# Altium PCB PCB22.PcbDoc (part 16 of 16)
Units mm, origin at the board's own origin, x right, y up, seen from the top; angles counter-clockwise.
Board outline 233.7 x 110.51 mm, 4 copper layers (Top Layer, Layer 1, Layer 2, Bottom Layer), stack 0.603 mm thick; 1249 components, 1355 nets, 4549 pads, 1315 vias.
Unrouted connection lines stored in the file: 1569.
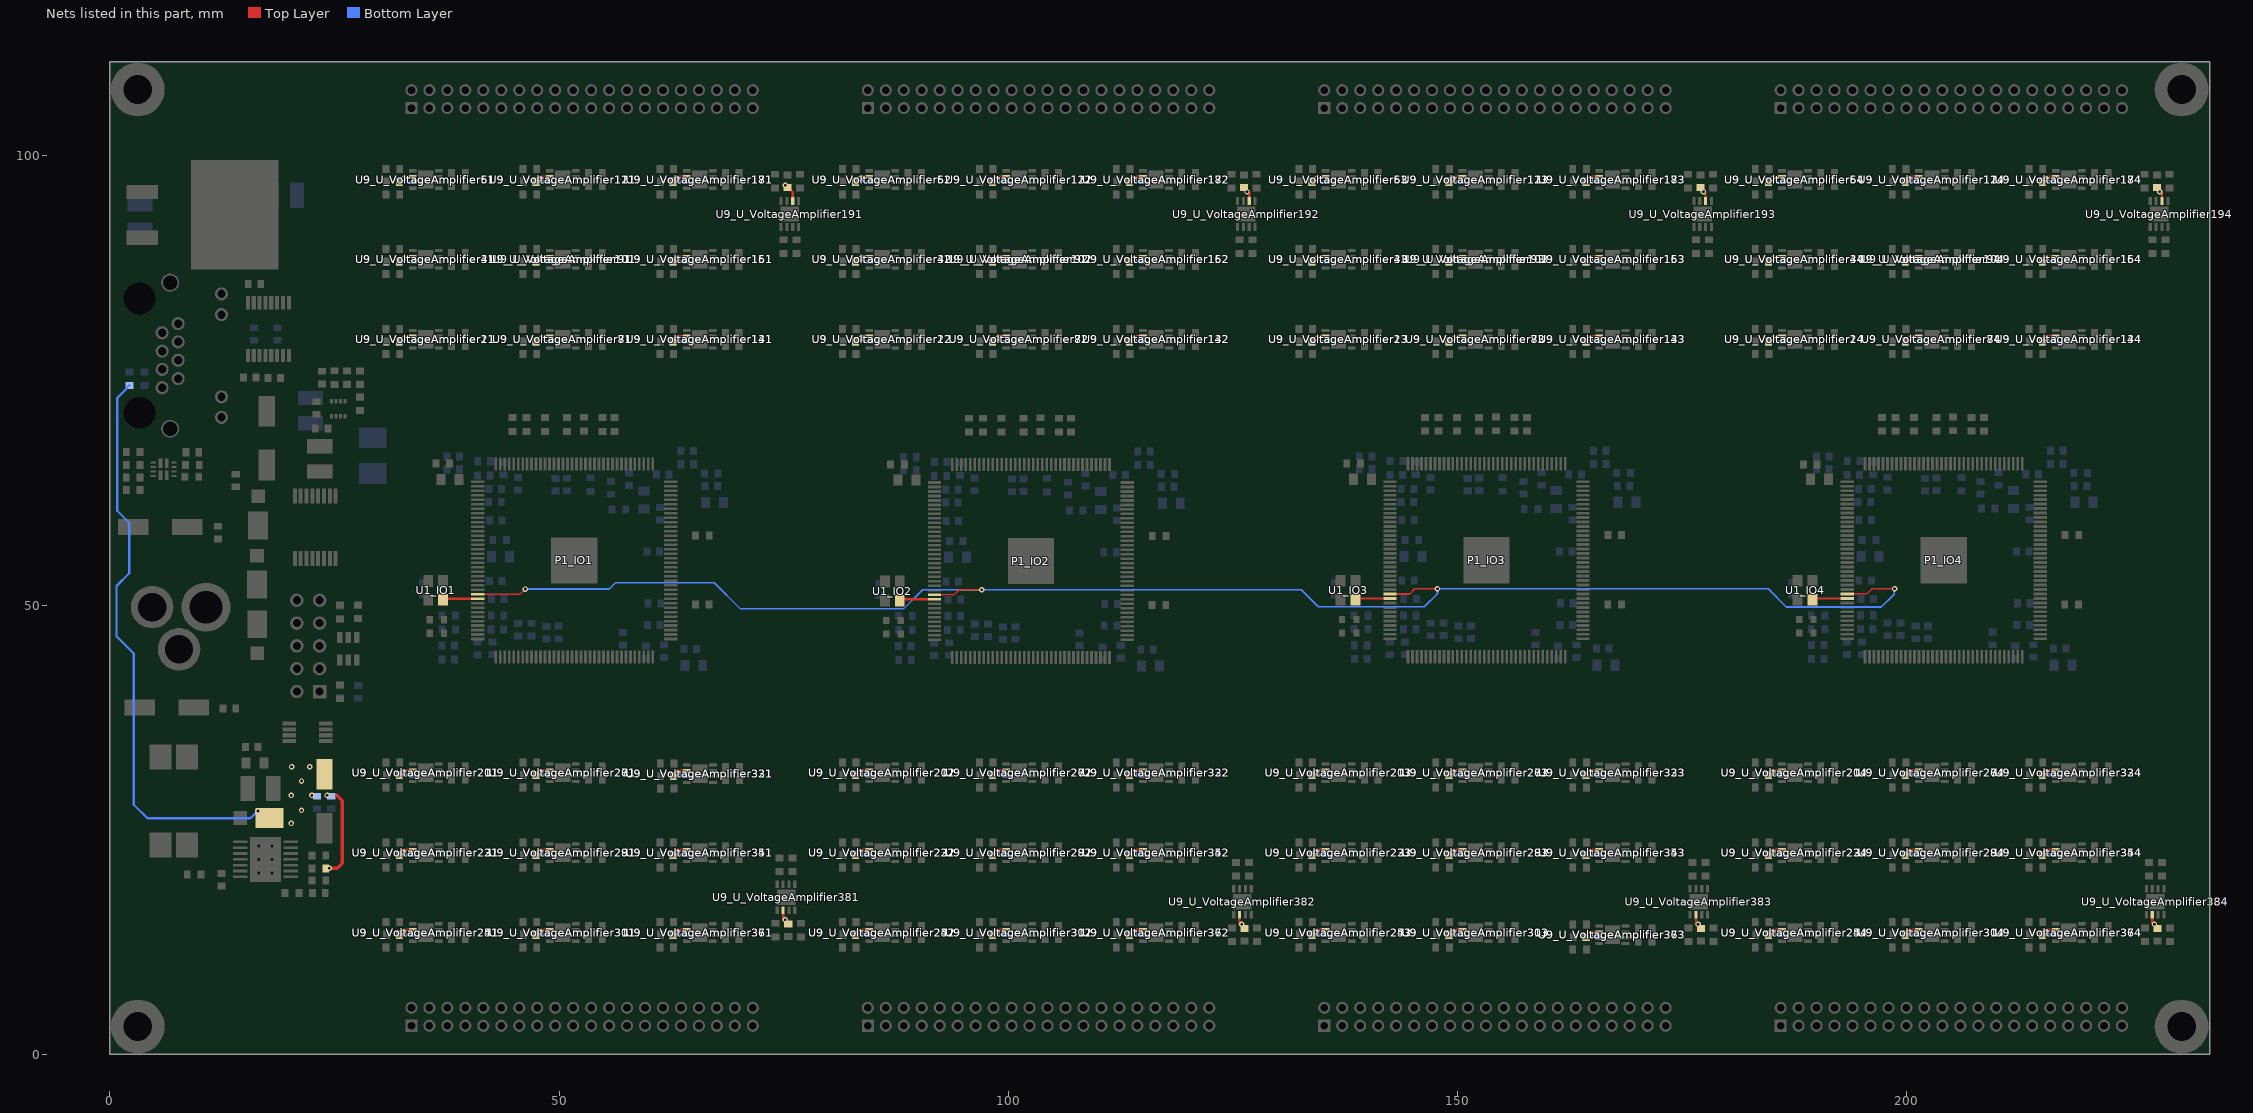
[diagram p18: the nets of this part, all layers, seen from the top]

## Via types
v1: diameter 0.61, hole 0.305, Top Layer to Bottom Layer, 1315 vias

## Nets (pads, with @x,y where several pads share a name; then routed paths per layer and width w, separated by ;. In a path a pad name is that pad's centre, name@x,y a point inside that pad or via, vN(x,y) a via of type N, cw(c..) or ccw(c..) an arc to the next point about the centre after c; other vN are vias at no path point) (continued)
VCC_OUT: (continued)
  Bottom Layer w0.254: R46.1@2.191,74.445 2.127,74.445 1.873,74.191 1.873,74.127 0.818,73.071 0.818,60.515 2.145,59.187 2.145,53.546 0.738,52.138 0.738,46.535 2.663,44.609 2.663,27.798 4.182,26.279 15.648,26.279 v1(16.473,27.104) ; v1(32.667,31.424) 32.763,31.424 33.121,31.066 33.66,31.066 U9_U_VoltageAmplifier211.6@33.708,31.018 ; v1(32.667,79.684) 32.763,79.684 33.121,79.326 33.66,79.326 U9_U_VoltageAmplifier21.6@33.708,79.278 ; v1(32.667,88.574) 32.763,88.574 33.121,88.216 33.66,88.216 U9_U_VoltageAmplifier41.6@33.708,88.168 ; v1(32.667,97.464) 32.763,97.464 33.121,97.106 33.66,97.106 U9_U_VoltageAmplifier61.6@33.708,97.058 ; v1(47.907,79.684) 48.003,79.684 48.361,79.326 48.9,79.326 U9_U_VoltageAmplifier81.6@48.948,79.278 ; v1(47.907,88.574) 48.003,88.574 48.361,88.216 48.9,88.216 U9_U_VoltageAmplifier101.6@48.948,88.168 ; v1(47.907,97.464) 48.003,97.464 48.361,97.106 48.9,97.106 U9_U_VoltageAmplifier121.6@48.948,97.058 ; v1(63.147,79.684) 63.243,79.684 63.601,79.326 64.14,79.326 U9_U_VoltageAmplifier141.6@64.188,79.278 ; v1(63.147,88.574) 63.243,88.574 63.601,88.216 64.14,88.216 U9_U_VoltageAmplifier161.6@64.188,88.168 ; v1(63.147,97.464) 63.243,97.464 63.601,97.106 64.14,97.106 U9_U_VoltageAmplifier181.6@64.188,97.058 ; v1(75.176,14.997) v1@75.176,15.093 ; v1(227.576,14.489) v1@227.576,14.585 ; v1@228.164,95.935 v1(228.164,96.031) ; v1@32.763,13.644 33.121,13.286 ; v1@32.763,13.644 v1(32.667,13.644) v1@32.763,13.644 ; v1@32.763,13.644 33.121,13.286 ; v1@32.763,22.534 v1(32.667,22.534) v1@32.763,22.534 ; v1@32.763,22.534 33.121,22.176 ; v1@32.763,22.534 33.121,22.176 ; 33.121,13.286 U9_U_VoltageAmplifier251.6@33.66,13.286 ; 33.121,13.286 U9_U_VoltageAmplifier251.6@33.66,13.286 ; 33.121,22.176 U9_U_VoltageAmplifier231.6@33.66,22.176 ; 33.121,22.176 U9_U_VoltageAmplifier231.6@33.66,22.176 ; U9_U_VoltageAmplifier251.6@33.66,13.286 U9_U_VoltageAmplifier251.6@33.708,13.238 U9_U_VoltageAmplifier251.6@33.66,13.286 ; U9_U_VoltageAmplifier231.6@33.66,22.176 U9_U_VoltageAmplifier231.6@33.708,22.128 U9_U_VoltageAmplifier231.6@33.66,22.176 ; v1@48.003,13.644 48.361,13.286 ; v1@48.003,13.644 v1(47.907,13.644) v1@48.003,13.644 ; v1@48.003,13.644 48.361,13.286 ; v1@48.003,22.534 48.361,22.176 ; v1@48.003,22.534 v1(47.907,22.534) v1@48.003,22.534 ; v1@48.003,22.534 48.361,22.176 ; v1@48.003,31.424 48.361,31.066 ; v1@48.003,31.424 v1(47.907,31.424) v1@48.003,31.424 ; v1@48.003,31.424 48.361,31.066 ; 48.361,13.286 U9_U_VoltageAmplifier311.6@48.9,13.286 ; 48.361,13.286 U9_U_VoltageAmplifier311.6@48.9,13.286 ; 48.361,22.176 U9_U_VoltageAmplifier291.6@48.9,22.176 ; 48.361,22.176 U9_U_VoltageAmplifier291.6@48.9,22.176 ; 48.361,31.066 U9_U_VoltageAmplifier271.6@48.9,31.066 ; 48.361,31.066 U9_U_VoltageAmplifier271.6@48.9,31.066 ; U9_U_VoltageAmplifier311.6@48.9,13.286 U9_U_VoltageAmplifier311.6@48.948,13.238 U9_U_VoltageAmplifier311.6@48.9,13.286 ; U9_U_VoltageAmplifier291.6@48.9,22.176 U9_U_VoltageAmplifier291.6@48.948,22.128 U9_U_VoltageAmplifier291.6@48.9,22.176 ; U9_U_VoltageAmplifier271.6@48.9,31.066 U9_U_VoltageAmplifier271.6@48.948,31.018 U9_U_VoltageAmplifier271.6@48.9,31.066 ; v1@63.243,13.644 63.601,13.286 ; v1@63.243,13.644 v1(63.147,13.644) v1@63.243,13.644 ; v1@63.243,13.644 63.601,13.286 ; v1@63.243,22.534 63.601,22.176 ; v1@63.243,22.534 v1(63.147,22.534) v1@63.243,22.534 ; v1@63.243,22.534 63.601,22.176 ; v1@63.273,31.333 63.631,30.975 ; v1@63.273,31.333 v1(63.176,31.333) v1@63.273,31.333 ; v1@63.273,31.333 63.631,30.975 ; 63.601,13.286 U9_U_VoltageAmplifier371.6@64.14,13.286 ; 63.601,13.286 U9_U_VoltageAmplifier371.6@64.14,13.286 ; 63.601,22.176 U9_U_VoltageAmplifier351.6@64.14,22.176 ; 63.601,22.176 U9_U_VoltageAmplifier351.6@64.14,22.176 ; 63.631,30.975 U9_U_VoltageAmplifier331.6@64.17,30.975 ; 63.631,30.975 U9_U_VoltageAmplifier331.6@64.17,30.975 ; U9_U_VoltageAmplifier371.6@64.14,13.286 U9_U_VoltageAmplifier371.6@64.188,13.238 U9_U_VoltageAmplifier371.6@64.14,13.286 ; U9_U_VoltageAmplifier351.6@64.14,22.176 U9_U_VoltageAmplifier351.6@64.188,22.128 U9_U_VoltageAmplifier351.6@64.14,22.176 ; U9_U_VoltageAmplifier331.6@64.17,30.975 U9_U_VoltageAmplifier331.6@64.218,30.927 U9_U_VoltageAmplifier331.6@64.17,30.975 ; v1@83.563,13.644 83.921,13.286 ; v1@83.563,13.644 v1(83.467,13.644) v1@83.563,13.644 ; v1@83.563,13.644 83.921,13.286 ; v1@83.563,22.534 83.921,22.176 ; v1@83.563,22.534 v1(83.467,22.534) v1@83.563,22.534 ; v1@83.563,22.534 83.921,22.176 ; v1@83.563,31.424 83.921,31.066 ; v1@83.563,31.424 v1(83.467,31.424) v1@83.563,31.424 ; v1@83.563,31.424 83.921,31.066 ; v1@83.563,79.684 83.921,79.326 ; v1@83.563,79.684 v1(83.467,79.684) v1@83.563,79.684 ; v1@83.563,79.684 83.921,79.326 ; v1@83.563,88.574 83.921,88.216 ; v1@83.563,88.574 v1(83.467,88.574) v1@83.563,88.574 ; v1@83.563,88.574 83.921,88.216 ; v1@83.563,97.464 83.921,97.106 ; v1@83.563,97.464 v1(83.467,97.464) v1@83.563,97.464 ; v1@83.563,97.464 83.921,97.106 ; 83.921,13.286 U9_U_VoltageAmplifier252.6@84.46,13.286 ; 83.921,13.286 U9_U_VoltageAmplifier252.6@84.46,13.286 ; 83.921,22.176 U9_U_VoltageAmplifier232.6@84.46,22.176 ; 83.921,22.176 U9_U_VoltageAmplifier232.6@84.46,22.176 ; 83.921,31.066 U9_U_VoltageAmplifier212.6@84.46,31.066 ; 83.921,31.066 U9_U_VoltageAmplifier212.6@84.46,31.066 ; 83.921,79.326 U9_U_VoltageAmplifier22.6@84.46,79.326 ; 83.921,79.326 U9_U_VoltageAmplifier22.6@84.46,79.326 ; 83.921,88.216 U9_U_VoltageAmplifier42.6@84.46,88.216 ; 83.921,88.216 U9_U_VoltageAmplifier42.6@84.46,88.216 ; 83.921,97.106 U9_U_VoltageAmplifier62.6@84.46,97.106 ; 83.921,97.106 U9_U_VoltageAmplifier62.6@84.46,97.106 ; U9_U_VoltageAmplifier252.6@84.46,13.286 U9_U_VoltageAmplifier252.6@84.508,13.238 U9_U_VoltageAmplifier252.6@84.46,13.286 ; U9_U_VoltageAmplifier232.6@84.46,22.176 U9_U_VoltageAmplifier232.6@84.508,22.128 U9_U_VoltageAmplifier232.6@84.46,22.176 ; U9_U_VoltageAmplifier212.6@84.46,31.066 U9_U_VoltageAmplifier212.6@84.508,31.018 U9_U_VoltageAmplifier212.6@84.46,31.066 ; U9_U_VoltageAmplifier22.6@84.46,79.326 U9_U_VoltageAmplifier22.6@84.508,79.278 U9_U_VoltageAmplifier22.6@84.46,79.326 ; U9_U_VoltageAmplifier42.6@84.46,88.216 U9_U_VoltageAmplifier42.6@84.508,88.168 U9_U_VoltageAmplifier42.6@84.46,88.216 ; U9_U_VoltageAmplifier62.6@84.46,97.106 U9_U_VoltageAmplifier62.6@84.508,97.058 U9_U_VoltageAmplifier62.6@84.46,97.106 ; v1@98.803,13.644 99.161,13.286 ; v1@98.803,13.644 v1(98.707,13.644) v1@98.803,13.644 ; v1@98.803,13.644 99.161,13.286 ; v1@98.803,22.534 99.161,22.176 ; v1@98.803,22.534 v1(98.707,22.534) v1@98.803,22.534 ; v1@98.803,22.534 99.161,22.176 ; v1@98.803,31.424 99.161,31.066 ; v1@98.803,31.424 v1(98.707,31.424) v1@98.803,31.424 ; v1@98.803,31.424 99.161,31.066 ; v1@98.803,79.684 99.161,79.326 ; v1@98.803,79.684 v1(98.707,79.684) v1@98.803,79.684 ; v1@98.803,79.684 99.161,79.326 ; v1@98.803,88.574 99.161,88.216 ; v1@98.803,88.574 v1(98.707,88.574) v1@98.803,88.574 ; v1@98.803,88.574 99.161,88.216 ; v1@98.803,97.464 99.161,97.106 ; v1@98.803,97.464 v1(98.707,97.464) v1@98.803,97.464 ; v1@98.803,97.464 99.161,97.106 ; 99.161,13.286 U9_U_VoltageAmplifier312.6@99.7,13.286 ; 99.161,13.286 U9_U_VoltageAmplifier312.6@99.7,13.286 ; 99.161,22.176 U9_U_VoltageAmplifier292.6@99.7,22.176 ; 99.161,22.176 U9_U_VoltageAmplifier292.6@99.7,22.176 ; 99.161,31.066 U9_U_VoltageAmplifier272.6@99.7,31.066 ; 99.161,31.066 U9_U_VoltageAmplifier272.6@99.7,31.066 ; 99.161,79.326 U9_U_VoltageAmplifier82.6@99.7,79.326 ; 99.161,79.326 U9_U_VoltageAmplifier82.6@99.7,79.326 ; 99.161,88.216 U9_U_VoltageAmplifier102.6@99.7,88.216 ; 99.161,88.216 U9_U_VoltageAmplifier102.6@99.7,88.216 ; 99.161,97.106 U9_U_VoltageAmplifier122.6@99.7,97.106 ; 99.161,97.106 U9_U_VoltageAmplifier122.6@99.7,97.106 ; U9_U_VoltageAmplifier312.6@99.7,13.286 U9_U_VoltageAmplifier312.6@99.748,13.238 U9_U_VoltageAmplifier312.6@99.7,13.286 ; U9_U_VoltageAmplifier292.6@99.7,22.176 U9_U_VoltageAmplifier292.6@99.748,22.128 U9_U_VoltageAmplifier292.6@99.7,22.176 ; U9_U_VoltageAmplifier272.6@99.7,31.066 U9_U_VoltageAmplifier272.6@99.748,31.018 U9_U_VoltageAmplifier272.6@99.7,31.066 ; U9_U_VoltageAmplifier82.6@99.7,79.326 U9_U_VoltageAmplifier82.6@99.748,79.278 U9_U_VoltageAmplifier82.6@99.7,79.326 ; U9_U_VoltageAmplifier102.6@99.7,88.216 U9_U_VoltageAmplifier102.6@99.748,88.168 U9_U_VoltageAmplifier102.6@99.7,88.216 ; U9_U_VoltageAmplifier122.6@99.7,97.106 U9_U_VoltageAmplifier122.6@99.748,97.058 U9_U_VoltageAmplifier122.6@99.7,97.106 ; v1@114.043,13.644 114.401,13.286 ; v1@114.043,13.644 v1(113.947,13.644) v1@114.043,13.644 ; v1@114.043,13.644 114.401,13.286 ; v1@114.043,22.534 114.401,22.176 ; v1@114.043,22.534 v1(113.947,22.534) v1@114.043,22.534 ; v1@114.043,22.534 114.401,22.176 ; v1@114.043,31.424 114.401,31.066 ; v1@114.043,31.424 v1(113.947,31.424) v1@114.043,31.424 ; v1@114.043,31.424 114.401,31.066 ; v1@114.043,79.684 114.401,79.326 ; v1@114.043,79.684 v1(113.947,79.684) v1@114.043,79.684 ; v1@114.043,79.684 114.401,79.326 ; v1@114.043,88.574 114.401,88.216 ; v1@114.043,88.574 v1(113.947,88.574) v1@114.043,88.574 ; v1@114.043,88.574 114.401,88.216 ; v1@114.043,97.464 114.401,97.106 ; v1@114.043,97.464 v1(113.947,97.464) v1@114.043,97.464 ; v1@114.043,97.464 114.401,97.106 ; 114.401,13.286 U9_U_VoltageAmplifier372.6@114.94,13.286 ; 114.401,13.286 U9_U_VoltageAmplifier372.6@114.94,13.286 ; 114.401,22.176 U9_U_VoltageAmplifier352.6@114.94,22.176 ; 114.401,22.176 U9_U_VoltageAmplifier352.6@114.94,22.176 ; 114.401,31.066 U9_U_VoltageAmplifier332.6@114.94,31.066 ; 114.401,31.066 U9_U_VoltageAmplifier332.6@114.94,31.066 ; 114.401,79.326 U9_U_VoltageAmplifier142.6@114.94,79.326 ; 114.401,79.326 U9_U_VoltageAmplifier142.6@114.94,79.326 ; 114.401,88.216 U9_U_VoltageAmplifier162.6@114.94,88.216 ; 114.401,88.216 U9_U_VoltageAmplifier162.6@114.94,88.216 ; 114.401,97.106 U9_U_VoltageAmplifier182.6@114.94,97.106 ; 114.401,97.106 U9_U_VoltageAmplifier182.6@114.94,97.106 ; U9_U_VoltageAmplifier372.6@114.94,13.286 U9_U_VoltageAmplifier372.6@114.988,13.238 U9_U_VoltageAmplifier372.6@114.94,13.286 ; U9_U_VoltageAmplifier352.6@114.94,22.176 U9_U_VoltageAmplifier352.6@114.988,22.128 U9_U_VoltageAmplifier352.6@114.94,22.176 ; U9_U_VoltageAmplifier332.6@114.94,31.066 U9_U_VoltageAmplifier332.6@114.988,31.018 U9_U_VoltageAmplifier332.6@114.94,31.066 ; U9_U_VoltageAmplifier142.6@114.94,79.326 U9_U_VoltageAmplifier142.6@114.988,79.278 U9_U_VoltageAmplifier142.6@114.94,79.326 ; U9_U_VoltageAmplifier162.6@114.94,88.216 U9_U_VoltageAmplifier162.6@114.988,88.168 U9_U_VoltageAmplifier162.6@114.94,88.216 ; U9_U_VoltageAmplifier182.6@114.94,97.106 U9_U_VoltageAmplifier182.6@114.988,97.058 U9_U_VoltageAmplifier182.6@114.94,97.106 ; v1@134.363,13.644 134.721,13.286 ; v1@134.363,13.644 v1(134.267,13.644) v1@134.363,13.644 ; v1@134.363,13.644 134.721,13.286 ; v1@134.363,22.534 134.721,22.176 ; v1@134.363,22.534 v1(134.267,22.534) v1@134.363,22.534 ; v1@134.363,22.534 134.721,22.176 ; v1@134.363,31.424 134.721,31.066 ; v1@134.363,31.424 v1(134.267,31.424) v1@134.363,31.424 ; v1@134.363,31.424 134.721,31.066 ; v1@134.363,79.684 134.721,79.326 ; v1@134.363,79.684 v1(134.267,79.684) v1@134.363,79.684 ; v1@134.363,79.684 134.721,79.326 ; v1@134.363,88.574 134.721,88.216 ; v1@134.363,88.574 v1(134.267,88.574) v1@134.363,88.574 ; v1@134.363,88.574 134.721,88.216 ; v1@134.363,97.464 134.721,97.106 ; v1@134.363,97.464 v1(134.267,97.464) v1@134.363,97.464 ; v1@134.363,97.464 134.721,97.106 ; 134.721,13.286 U9_U_VoltageAmplifier253.6@135.26,13.286 ; 134.721,13.286 U9_U_VoltageAmplifier253.6@135.26,13.286 ; 134.721,22.176 U9_U_VoltageAmplifier233.6@135.26,22.176 ; 134.721,22.176 U9_U_VoltageAmplifier233.6@135.26,22.176 ; 134.721,31.066 U9_U_VoltageAmplifier213.6@135.26,31.066 ; 134.721,31.066 U9_U_VoltageAmplifier213.6@135.26,31.066 ; 134.721,79.326 U9_U_VoltageAmplifier23.6@135.26,79.326 ; 134.721,79.326 U9_U_VoltageAmplifier23.6@135.26,79.326 ; 134.721,88.216 U9_U_VoltageAmplifier43.6@135.26,88.216 ; 134.721,88.216 U9_U_VoltageAmplifier43.6@135.26,88.216 ; 134.721,97.106 U9_U_VoltageAmplifier63.6@135.26,97.106 ; 134.721,97.106 U9_U_VoltageAmplifier63.6@135.26,97.106 ; U9_U_VoltageAmplifier253.6@135.26,13.286 U9_U_VoltageAmplifier253.6@135.308,13.238 U9_U_VoltageAmplifier253.6@135.26,13.286 ; U9_U_VoltageAmplifier233.6@135.26,22.176 U9_U_VoltageAmplifier233.6@135.308,22.128 U9_U_VoltageAmplifier233.6@135.26,22.176 ; U9_U_VoltageAmplifier213.6@135.26,31.066 U9_U_VoltageAmplifier213.6@135.308,31.018 U9_U_VoltageAmplifier213.6@135.26,31.066 ; U9_U_VoltageAmplifier23.6@135.26,79.326 U9_U_VoltageAmplifier23.6@135.308,79.278 U9_U_VoltageAmplifier23.6@135.26,79.326 ; U9_U_VoltageAmplifier43.6@135.26,88.216 U9_U_VoltageAmplifier43.6@135.308,88.168 U9_U_VoltageAmplifier43.6@135.26,88.216 ; U9_U_VoltageAmplifier63.6@135.26,97.106 U9_U_VoltageAmplifier63.6@135.308,97.058 U9_U_VoltageAmplifier63.6@135.26,97.106 ; v1@149.603,13.644 149.961,13.286 ; v1@149.603,13.644 v1(149.507,13.644) v1@149.603,13.644 ; v1@149.603,13.644 149.961,13.286 ; v1@149.603,22.534 149.961,22.176 ; v1@149.603,22.534 v1(149.507,22.534) v1@149.603,22.534 ; v1@149.603,22.534 149.961,22.176 ; v1@149.603,31.424 149.961,31.066 ; v1@149.603,31.424 v1(149.507,31.424) v1@149.603,31.424 ; v1@149.603,31.424 149.961,31.066 ; v1@149.603,79.684 149.961,79.326 ; v1@149.603,79.684 v1(149.507,79.684) v1@149.603,79.684 ; v1@149.603,79.684 149.961,79.326 ; v1@149.603,88.574 149.961,88.216 ; v1@149.603,88.574 v1(149.507,88.574) v1@149.603,88.574 ; v1@149.603,88.574 149.961,88.216 ; v1@149.603,97.464 149.961,97.106 ; v1@149.603,97.464 v1(149.507,97.464) v1@149.603,97.464 ; v1@149.603,97.464 149.961,97.106 ; 149.961,13.286 U9_U_VoltageAmplifier313.6@150.5,13.286 ; 149.961,13.286 U9_U_VoltageAmplifier313.6@150.5,13.286 ; 149.961,22.176 U9_U_VoltageAmplifier293.6@150.5,22.176 ; 149.961,22.176 U9_U_VoltageAmplifier293.6@150.5,22.176 ; 149.961,31.066 U9_U_VoltageAmplifier273.6@150.5,31.066 ; 149.961,31.066 U9_U_VoltageAmplifier273.6@150.5,31.066 ; 149.961,79.326 U9_U_VoltageAmplifier83.6@150.5,79.326 ; 149.961,79.326 U9_U_VoltageAmplifier83.6@150.5,79.326 ; 149.961,88.216 U9_U_VoltageAmplifier103.6@150.5,88.216 ; 149.961,88.216 U9_U_VoltageAmplifier103.6@150.5,88.216 ; 149.961,97.106 U9_U_VoltageAmplifier123.6@150.5,97.106 ; 149.961,97.106 U9_U_VoltageAmplifier123.6@150.5,97.106 ; U9_U_VoltageAmplifier313.6@150.5,13.286 U9_U_VoltageAmplifier313.6@150.548,13.238 U9_U_VoltageAmplifier313.6@150.5,13.286 ; U9_U_VoltageAmplifier293.6@150.5,22.176 U9_U_VoltageAmplifier293.6@150.548,22.128 U9_U_VoltageAmplifier293.6@150.5,22.176 ; U9_U_VoltageAmplifier273.6@150.5,31.066 U9_U_VoltageAmplifier273.6@150.548,31.018 U9_U_VoltageAmplifier273.6@150.5,31.066 ; U9_U_VoltageAmplifier83.6@150.5,79.326 U9_U_VoltageAmplifier83.6@150.548,79.278 U9_U_VoltageAmplifier83.6@150.5,79.326 ; U9_U_VoltageAmplifier103.6@150.5,88.216 U9_U_VoltageAmplifier103.6@150.548,88.168 U9_U_VoltageAmplifier103.6@150.5,88.216 ; U9_U_VoltageAmplifier123.6@150.5,97.106 U9_U_VoltageAmplifier123.6@150.548,97.058 U9_U_VoltageAmplifier123.6@150.5,97.106 ; v1@164.843,13.39 165.201,13.032 ; v1@164.843,13.39 v1(164.747,13.39) v1@164.843,13.39 ; v1@164.843,13.39 165.201,13.032 ; v1@164.843,22.534 165.201,22.176 ; v1@164.843,22.534 v1(164.747,22.534) v1@164.843,22.534 ; v1@164.843,22.534 165.201,22.176 ; v1@164.843,31.424 165.201,31.066 ; v1@164.843,31.424 v1(164.747,31.424) v1@164.843,31.424 ; v1@164.843,31.424 165.201,31.066 ; v1@164.843,79.684 165.201,79.326 ; v1@164.843,79.684 v1(164.747,79.684) v1@164.843,79.684 ; v1@164.843,79.684 165.201,79.326 ; v1@164.843,88.574 165.201,88.216 ; v1@164.843,88.574 v1(164.747,88.574) v1@164.843,88.574 ; v1@164.843,88.574 165.201,88.216 ; v1@164.843,97.464 165.201,97.106 ; v1@164.843,97.464 v1(164.747,97.464) v1@164.843,97.464 ; v1@164.843,97.464 165.201,97.106 ; 165.201,13.032 U9_U_VoltageAmplifier373.6@165.74,13.032 ; 165.201,13.032 U9_U_VoltageAmplifier373.6@165.74,13.032 ; 165.201,22.176 U9_U_VoltageAmplifier353.6@165.74,22.176 ; 165.201,22.176 U9_U_VoltageAmplifier353.6@165.74,22.176 ; 165.201,31.066 U9_U_VoltageAmplifier333.6@165.74,31.066 ; 165.201,31.066 U9_U_VoltageAmplifier333.6@165.74,31.066 ; 165.201,79.326 U9_U_VoltageAmplifier143.6@165.74,79.326 ; 165.201,79.326 U9_U_VoltageAmplifier143.6@165.74,79.326 ; 165.201,88.216 U9_U_VoltageAmplifier163.6@165.74,88.216 ; 165.201,88.216 U9_U_VoltageAmplifier163.6@165.74,88.216 ; 165.201,97.106 U9_U_VoltageAmplifier183.6@165.74,97.106 ; 165.201,97.106 U9_U_VoltageAmplifier183.6@165.74,97.106 ; U9_U_VoltageAmplifier373.6@165.74,13.032 U9_U_VoltageAmplifier373.6@165.788,12.984 U9_U_VoltageAmplifier373.6@165.74,13.032 ; U9_U_VoltageAmplifier353.6@165.74,22.176 U9_U_VoltageAmplifier353.6@165.788,22.128 U9_U_VoltageAmplifier353.6@165.74,22.176 ; U9_U_VoltageAmplifier333.6@165.74,31.066 U9_U_VoltageAmplifier333.6@165.788,31.018 U9_U_VoltageAmplifier333.6@165.74,31.066 ; U9_U_VoltageAmplifier143.6@165.74,79.326 U9_U_VoltageAmplifier143.6@165.788,79.278 U9_U_VoltageAmplifier143.6@165.74,79.326 ; U9_U_VoltageAmplifier163.6@165.74,88.216 U9_U_VoltageAmplifier163.6@165.788,88.168 U9_U_VoltageAmplifier163.6@165.74,88.216 ; U9_U_VoltageAmplifier183.6@165.74,97.106 U9_U_VoltageAmplifier183.6@165.788,97.058 U9_U_VoltageAmplifier183.6@165.74,97.106 ; v1@185.163,13.644 185.521,13.286 ; v1@185.163,13.644 v1(185.067,13.644) v1@185.163,13.644 ; v1@185.163,13.644 185.521,13.286 ; v1@185.163,22.534 185.521,22.176 ; v1@185.163,22.534 v1(185.067,22.534) v1@185.163,22.534 ; v1@185.163,22.534 185.521,22.176 ; v1@185.163,31.424 v1(185.067,31.424) v1@185.163,31.424 ; v1@185.163,31.424 185.521,31.066 ; v1@185.163,31.424 185.521,31.066 ; v1@185.163,79.684 185.521,79.326 ; v1@185.163,79.684 v1(185.067,79.684) v1@185.163,79.684 ; v1@185.163,79.684 185.521,79.326 ; v1@185.163,88.574 185.521,88.216 ; v1@185.163,88.574 v1(185.067,88.574) v1@185.163,88.574 ; v1@185.163,88.574 185.521,88.216 ; v1@185.163,97.464 185.521,97.106 ; v1@185.163,97.464 v1(185.067,97.464) v1@185.163,97.464 ; v1@185.163,97.464 185.521,97.106 ; 185.521,13.286 U9_U_VoltageAmplifier254.6@186.06,13.286 ; 185.521,13.286 U9_U_VoltageAmplifier254.6@186.06,13.286 ; 185.521,22.176 U9_U_VoltageAmplifier234.6@186.06,22.176 ; 185.521,22.176 U9_U_VoltageAmplifier234.6@186.06,22.176 ; 185.521,31.066 U9_U_VoltageAmplifier214.6@186.06,31.066 ; 185.521,31.066 U9_U_VoltageAmplifier214.6@186.06,31.066 ; 185.521,79.326 U9_U_VoltageAmplifier24.6@186.06,79.326 ; 185.521,79.326 U9_U_VoltageAmplifier24.6@186.06,79.326 ; 185.521,88.216 U9_U_VoltageAmplifier44.6@186.06,88.216 ; 185.521,88.216 U9_U_VoltageAmplifier44.6@186.06,88.216 ; 185.521,97.106 U9_U_VoltageAmplifier64.6@186.06,97.106 ; 185.521,97.106 U9_U_VoltageAmplifier64.6@186.06,97.106 ; U9_U_VoltageAmplifier254.6@186.06,13.286 U9_U_VoltageAmplifier254.6@186.108,13.238 U9_U_VoltageAmplifier254.6@186.06,13.286 ; U9_U_VoltageAmplifier234.6@186.06,22.176 U9_U_VoltageAmplifier234.6@186.108,22.128 U9_U_VoltageAmplifier234.6@186.06,22.176 ; U9_U_VoltageAmplifier214.6@186.06,31.066 U9_U_VoltageAmplifier214.6@186.108,31.018 U9_U_VoltageAmplifier214.6@186.06,31.066 ; U9_U_VoltageAmplifier24.6@186.06,79.326 U9_U_VoltageAmplifier24.6@186.108,79.278 U9_U_VoltageAmplifier24.6@186.06,79.326 ; U9_U_VoltageAmplifier44.6@186.06,88.216 U9_U_VoltageAmplifier44.6@186.108,88.168 U9_U_VoltageAmplifier44.6@186.06,88.216 ; U9_U_VoltageAmplifier64.6@186.06,97.106 U9_U_VoltageAmplifier64.6@186.108,97.058 U9_U_VoltageAmplifier64.6@186.06,97.106 ; v1@200.403,13.644 200.761,13.286 ; v1@200.403,13.644 v1(200.307,13.644) v1@200.403,13.644 ; v1@200.403,13.644 200.761,13.286 ; v1@200.403,22.534 200.761,22.176 ; v1@200.403,22.534 v1(200.307,22.534) v1@200.403,22.534 ; v1@200.403,22.534 200.761,22.176 ; v1@200.403,31.424 200.761,31.066 ; v1@200.403,31.424 v1(200.307,31.424) v1@200.403,31.424 ; v1@200.403,31.424 200.761,31.066 ; v1@200.403,79.684 200.761,79.326 ; v1@200.403,79.684 v1(200.307,79.684) v1@200.403,79.684 ; v1@200.403,79.684 200.761,79.326 ; v1@200.403,88.574 200.761,88.216 ; v1@200.403,88.574 v1(200.307,88.574) v1@200.403,88.574 ; v1@200.403,88.574 200.761,88.216 ; v1@200.403,97.464 200.761,97.106 ; v1@200.403,97.464 v1(200.307,97.464) v1@200.403,97.464 ; v1@200.403,97.464 200.761,97.106 ; 200.761,13.286 U9_U_VoltageAmplifier314.6@201.3,13.286 ; 200.761,13.286 U9_U_VoltageAmplifier314.6@201.3,13.286 ; 200.761,22.176 U9_U_VoltageAmplifier294.6@201.3,22.176 ; 200.761,22.176 U9_U_VoltageAmplifier294.6@201.3,22.176 ; 200.761,31.066 U9_U_VoltageAmplifier274.6@201.3,31.066 ; 200.761,31.066 U9_U_VoltageAmplifier274.6@201.3,31.066 ; 200.761,79.326 U9_U_VoltageAmplifier84.6@201.3,79.326 ; 200.761,79.326 U9_U_VoltageAmplifier84.6@201.3,79.326 ; 200.761,88.216 U9_U_VoltageAmplifier104.6@201.3,88.216 ; 200.761,88.216 U9_U_VoltageAmplifier104.6@201.3,88.216 ; 200.761,97.106 U9_U_VoltageAmplifier124.6@201.3,97.106 ; 200.761,97.106 U9_U_VoltageAmplifier124.6@201.3,97.106 ; U9_U_VoltageAmplifier314.6@201.3,13.286 U9_U_VoltageAmplifier314.6@201.348,13.238 U9_U_VoltageAmplifier314.6@201.3,13.286 ; U9_U_VoltageAmplifier294.6@201.3,22.176 U9_U_VoltageAmplifier294.6@201.348,22.128 U9_U_VoltageAmplifier294.6@201.3,22.176 ; U9_U_VoltageAmplifier274.6@201.3,31.066 U9_U_VoltageAmplifier274.6@201.348,31.018 U9_U_VoltageAmplifier274.6@201.3,31.066 ; U9_U_VoltageAmplifier84.6@201.3,79.326 U9_U_VoltageAmplifier84.6@201.348,79.278 U9_U_VoltageAmplifier84.6@201.3,79.326 ; U9_U_VoltageAmplifier104.6@201.3,88.216 U9_U_VoltageAmplifier104.6@201.348,88.168 U9_U_VoltageAmplifier104.6@201.3,88.216 ; U9_U_VoltageAmplifier124.6@201.3,97.106 U9_U_VoltageAmplifier124.6@201.348,97.058 U9_U_VoltageAmplifier124.6@201.3,97.106 ; v1@215.643,13.644 216.001,13.286 ; v1@215.643,13.644 v1(215.547,13.644) v1@215.643,13.644 ; v1@215.643,13.644 216.001,13.286 ; v1@215.643,22.534 216.001,22.176 ; v1@215.643,22.534 v1(215.547,22.534) v1@215.643,22.534 ; v1@215.643,22.534 216.001,22.176 ; v1@215.643,31.424 216.001,31.066 ; v1@215.643,31.424 v1(215.547,31.424) v1@215.643,31.424 ; v1@215.643,31.424 216.001,31.066 ; v1@215.643,79.684 216.001,79.326 ; v1@215.643,79.684 v1(215.547,79.684) v1@215.643,79.684 ; v1@215.643,79.684 216.001,79.326 ; v1@215.643,88.574 216.001,88.216 ; v1@215.643,88.574 v1(215.547,88.574) v1@215.643,88.574 ; v1@215.643,88.574 216.001,88.216 ; v1@215.643,97.464 216.001,97.106 ; v1@215.643,97.464 v1(215.547,97.464) v1@215.643,97.464 ; v1@215.643,97.464 216.001,97.106 ; 216.001,13.286 U9_U_VoltageAmplifier374.6@216.54,13.286 ; 216.001,13.286 U9_U_VoltageAmplifier374.6@216.54,13.286 ; 216.001,22.176 U9_U_VoltageAmplifier354.6@216.54,22.176 ; 216.001,22.176 U9_U_VoltageAmplifier354.6@216.54,22.176 ; 216.001,31.066 U9_U_VoltageAmplifier334.6@216.54,31.066 ; 216.001,31.066 U9_U_VoltageAmplifier334.6@216.54,31.066 ; 216.001,79.326 U9_U_VoltageAmplifier144.6@216.54,79.326 ; 216.001,79.326 U9_U_VoltageAmplifier144.6@216.54,79.326 ; 216.001,88.216 U9_U_VoltageAmplifier164.6@216.54,88.216 ; 216.001,88.216 U9_U_VoltageAmplifier164.6@216.54,88.216 ; 216.001,97.106 U9_U_VoltageAmplifier184.6@216.54,97.106 ; 216.001,97.106 U9_U_VoltageAmplifier184.6@216.54,97.106 ; U9_U_VoltageAmplifier374.6@216.54,13.286 U9_U_VoltageAmplifier374.6@216.588,13.238 U9_U_VoltageAmplifier374.6@216.54,13.286 ; U9_U_VoltageAmplifier354.6@216.54,22.176 U9_U_VoltageAmplifier354.6@216.588,22.128 U9_U_VoltageAmplifier354.6@216.54,22.176 ; U9_U_VoltageAmplifier334.6@216.54,31.066 U9_U_VoltageAmplifier334.6@216.588,31.018 U9_U_VoltageAmplifier334.6@216.54,31.066 ; U9_U_VoltageAmplifier144.6@216.54,79.326 U9_U_VoltageAmplifier144.6@216.588,79.278 U9_U_VoltageAmplifier144.6@216.54,79.326 ; U9_U_VoltageAmplifier164.6@216.54,88.216 U9_U_VoltageAmplifier164.6@216.588,88.168 U9_U_VoltageAmplifier164.6@216.54,88.216 ; U9_U_VoltageAmplifier184.6@216.54,97.106 U9_U_VoltageAmplifier184.6@216.588,97.058 U9_U_VoltageAmplifier184.6@216.54,97.106
  other v1: 125.976,14.489 176.776,14.489 24.416,20.716 20.173,25.705 21.323,27.152 20.173,28.829 22.473,28.829 24.165,28.841 21.323,30.429 20.212,32.029 22.244,32.029 126.564,96.031 177.364,96.031 75.157,96.74
X_25M_IO1: P1_IO1.27 U1_IO1.3 | length 7.4
  Top Layer w0.254: U1_IO1.3@37.247,50.79 U1_IO1.3@37.308,50.729 ; U1_IO1.3@37.308,50.729 P1_IO1.27@40.944,50.729 U1_IO1.3@37.308,50.729
X_25M_IO2: P1_IO2.27 U1_IO2.3 | length 7.4
  Top Layer w0.254: U1_IO2.3@88.075,50.724 U1_IO2.3@88.136,50.663 ; U1_IO2.3@88.136,50.663 P1_IO2.27@91.772,50.663 U1_IO2.3@88.136,50.663
X_25M_IO3: P1_IO3.27 U1_IO3.3 | length 7.4
  Top Layer w0.254: U1_IO3.3@138.796,50.812 U1_IO3.3@138.857,50.751 ; U1_IO3.3@138.857,50.751 P1_IO3.27@142.493,50.751 U1_IO3.3@138.857,50.751
X_25M_IO4: P1_IO4.27 U1_IO4.3 | length 7.4
  Top Layer w0.254: U1_IO4.3@189.672,50.816 U1_IO4.3@189.733,50.755 ; U1_IO4.3@189.733,50.755 P1_IO4.27@193.369,50.755 U1_IO4.3@189.733,50.755
XSIG: P1_IO1.26 P1_IO2.26 P1_IO3.26 P1_IO4.26 | length 180.7
  Top Layer w0.178: P1_IO1.26@40.944,51.229 45.645,51.229 v1(46.214,51.798) ; P1_IO2.26@91.772,51.163 93.959,51.163 94.528,51.732 v1(97.042,51.732) ; P1_IO3.26@142.493,51.251 144.68,51.251 145.249,51.82 v1(147.763,51.82) ; P1_IO4.26@193.369,51.255 195.556,51.255 196.125,51.823 v1(198.64,51.823)
  Bottom Layer w0.178: v1(46.214,51.798) 55.581,51.798 56.27,52.488 67.275,52.488 70.136,49.626 88.378,49.626 90.484,51.732 v1(97.042,51.732) 132.592,51.732 134.499,49.825 146.303,49.825 147.763,51.286 v1(147.763,51.82) 184.574,51.82 186.598,49.796 197.169,49.796 198.594,51.22 198.594,51.777 v1(198.64,51.823)
pads on no net: J1.9 J1.10 J1.11 J1.12 J1.MH3 J1.MH4 J2.3 L6.3 L6.4 P1_IO1.145 P1_IO2.145 P1_IO3.145 P1_IO4.145 P3.6 P3.7 P3.8 P_E_1.39 P_E_1.40 P_E_2.39 P_E_2.40 P_E_3.39 P_E_3.40 P_E_4.39 P_E_4.40 P_O_1.38 P_O_1.39 P_O_1.40 P_O_2.38 P_O_2.39 P_O_2.40 P_O_3.38 P_O_3.39 P_O_3.40 P_O_4.38 P_O_4.39 P_O_4.40 U2.11 U2.12 U2.13 U2.14 U9_U_VoltageAmplifier11.1 U9_U_VoltageAmplifier11.8 U9_U_VoltageAmplifier12.1 U9_U_VoltageAmplifier12.8 U9_U_VoltageAmplifier13.1 U9_U_VoltageAmplifier13.8 U9_U_VoltageAmplifier14.1 U9_U_VoltageAmplifier14.8 U9_U_VoltageAmplifier21.1 U9_U_VoltageAmplifier21.8 U9_U_VoltageAmplifier22.1 U9_U_VoltageAmplifier22.8 U9_U_VoltageAmplifier23.1 U9_U_VoltageAmplifier23.8 U9_U_VoltageAmplifier24.1 U9_U_VoltageAmplifier24.8 U9_U_VoltageAmplifier31.1 U9_U_VoltageAmplifier31.8 U9_U_VoltageAmplifier32.1 U9_U_VoltageAmplifier32.8 U9_U_VoltageAmplifier33.1 U9_U_VoltageAmplifier33.8 U9_U_VoltageAmplifier34.1 U9_U_VoltageAmplifier34.8 U9_U_VoltageAmplifier41.1 U9_U_VoltageAmplifier41.8 U9_U_VoltageAmplifier42.1 U9_U_VoltageAmplifier42.8 U9_U_VoltageAmplifier43.1 U9_U_VoltageAmplifier43.8 U9_U_VoltageAmplifier44.1 U9_U_VoltageAmplifier44.8 U9_U_VoltageAmplifier51.1 U9_U_VoltageAmplifier51.8 U9_U_VoltageAmplifier52.1 U9_U_VoltageAmplifier52.8 U9_U_VoltageAmplifier53.1 U9_U_VoltageAmplifier53.8 U9_U_VoltageAmplifier54.1 U9_U_VoltageAmplifier54.8 U9_U_VoltageAmplifier61.1 U9_U_VoltageAmplifier61.8 U9_U_VoltageAmplifier62.1 U9_U_VoltageAmplifier62.8 U9_U_VoltageAmplifier63.1 U9_U_VoltageAmplifier63.8 U9_U_VoltageAmplifier64.1 U9_U_VoltageAmplifier64.8 U9_U_VoltageAmplifier71.1 U9_U_VoltageAmplifier71.8 U9_U_VoltageAmplifier72.1 U9_U_VoltageAmplifier72.8 U9_U_VoltageAmplifier73.1 U9_U_VoltageAmplifier73.8 U9_U_VoltageAmplifier74.1 U9_U_VoltageAmplifier74.8 U9_U_VoltageAmplifier81.1 U9_U_VoltageAmplifier81.8 U9_U_VoltageAmplifier82.1 U9_U_VoltageAmplifier82.8 U9_U_VoltageAmplifier83.1 U9_U_VoltageAmplifier83.8 U9_U_VoltageAmplifier84.1 U9_U_VoltageAmplifier84.8 U9_U_VoltageAmplifier91.1 U9_U_VoltageAmplifier91.8 U9_U_VoltageAmplifier92.1 U9_U_VoltageAmplifier92.8 U9_U_VoltageAmplifier93.1 U9_U_VoltageAmplifier93.8 U9_U_VoltageAmplifier94.1 U9_U_VoltageAmplifier94.8 U9_U_VoltageAmplifier101.1 U9_U_VoltageAmplifier101.8 U9_U_VoltageAmplifier102.1 U9_U_VoltageAmplifier102.8 U9_U_VoltageAmplifier103.1 U9_U_VoltageAmplifier103.8 U9_U_VoltageAmplifier104.1 U9_U_VoltageAmplifier104.8 U9_U_VoltageAmplifier111.1 U9_U_VoltageAmplifier111.8 U9_U_VoltageAmplifier112.1 U9_U_VoltageAmplifier112.8 U9_U_VoltageAmplifier113.1 U9_U_VoltageAmplifier113.8 U9_U_VoltageAmplifier114.1 U9_U_VoltageAmplifier114.8 U9_U_VoltageAmplifier121.1 U9_U_VoltageAmplifier121.8 U9_U_VoltageAmplifier122.1 U9_U_VoltageAmplifier122.8 U9_U_VoltageAmplifier123.1 U9_U_VoltageAmplifier123.8 U9_U_VoltageAmplifier124.1 U9_U_VoltageAmplifier124.8 U9_U_VoltageAmplifier131.1 U9_U_VoltageAmplifier131.8 U9_U_VoltageAmplifier132.1 U9_U_VoltageAmplifier132.8 U9_U_VoltageAmplifier133.1 U9_U_VoltageAmplifier133.8 U9_U_VoltageAmplifier134.1 U9_U_VoltageAmplifier134.8 U9_U_VoltageAmplifier141.1 U9_U_VoltageAmplifier141.8 U9_U_VoltageAmplifier142.1 U9_U_VoltageAmplifier142.8 U9_U_VoltageAmplifier143.1 U9_U_VoltageAmplifier143.8 U9_U_VoltageAmplifier144.1 U9_U_VoltageAmplifier144.8 U9_U_VoltageAmplifier151.1 U9_U_VoltageAmplifier151.8 U9_U_VoltageAmplifier152.1 U9_U_VoltageAmplifier152.8 U9_U_VoltageAmplifier153.1 U9_U_VoltageAmplifier153.8 U9_U_VoltageAmplifier154.1 U9_U_VoltageAmplifier154.8 U9_U_VoltageAmplifier161.1 U9_U_VoltageAmplifier161.8 U9_U_VoltageAmplifier162.1 U9_U_VoltageAmplifier162.8 U9_U_VoltageAmplifier163.1 U9_U_VoltageAmplifier163.8 U9_U_VoltageAmplifier164.1 U9_U_VoltageAmplifier164.8 U9_U_VoltageAmplifier171.1 U9_U_VoltageAmplifier171.8 U9_U_VoltageAmplifier172.1 U9_U_VoltageAmplifier172.8 U9_U_VoltageAmplifier173.1 U9_U_VoltageAmplifier173.8 U9_U_VoltageAmplifier174.1 U9_U_VoltageAmplifier174.8 U9_U_VoltageAmplifier181.1 U9_U_VoltageAmplifier181.8 U9_U_VoltageAmplifier182.1 U9_U_VoltageAmplifier182.8 U9_U_VoltageAmplifier183.1 U9_U_VoltageAmplifier183.8 U9_U_VoltageAmplifier184.1 U9_U_VoltageAmplifier184.8 U9_U_VoltageAmplifier191.1 U9_U_VoltageAmplifier191.8 U9_U_VoltageAmplifier192.1 U9_U_VoltageAmplifier192.8 U9_U_VoltageAmplifier193.1 U9_U_VoltageAmplifier193.8 U9_U_VoltageAmplifier194.1 U9_U_VoltageAmplifier194.8 U9_U_VoltageAmplifier201.1 U9_U_VoltageAmplifier201.8 U9_U_VoltageAmplifier202.1 U9_U_VoltageAmplifier202.8 U9_U_VoltageAmplifier203.1 U9_U_VoltageAmplifier203.8 U9_U_VoltageAmplifier204.1 U9_U_VoltageAmplifier204.8 U9_U_VoltageAmplifier211.1 U9_U_VoltageAmplifier211.8 U9_U_VoltageAmplifier212.1 U9_U_VoltageAmplifier212.8 U9_U_VoltageAmplifier213.1 U9_U_VoltageAmplifier213.8 U9_U_VoltageAmplifier214.1 U9_U_VoltageAmplifier214.8 U9_U_VoltageAmplifier221.1 U9_U_VoltageAmplifier221.8 U9_U_VoltageAmplifier222.1 U9_U_VoltageAmplifier222.8 U9_U_VoltageAmplifier223.1 U9_U_VoltageAmplifier223.8 U9_U_VoltageAmplifier224.1 U9_U_VoltageAmplifier224.8 U9_U_VoltageAmplifier231.1 U9_U_VoltageAmplifier231.8 U9_U_VoltageAmplifier232.1 U9_U_VoltageAmplifier232.8 U9_U_VoltageAmplifier233.1 U9_U_VoltageAmplifier233.8 U9_U_VoltageAmplifier234.1 U9_U_VoltageAmplifier234.8 U9_U_VoltageAmplifier241.1 U9_U_VoltageAmplifier241.8 U9_U_VoltageAmplifier242.1 U9_U_VoltageAmplifier242.8 U9_U_VoltageAmplifier243.1 U9_U_VoltageAmplifier243.8 U9_U_VoltageAmplifier244.1 U9_U_VoltageAmplifier244.8 U9_U_VoltageAmplifier251.1 U9_U_VoltageAmplifier251.8 U9_U_VoltageAmplifier252.1 U9_U_VoltageAmplifier252.8 U9_U_VoltageAmplifier253.1 U9_U_VoltageAmplifier253.8 U9_U_VoltageAmplifier254.1 U9_U_VoltageAmplifier254.8 U9_U_VoltageAmplifier261.1 U9_U_VoltageAmplifier261.8 U9_U_VoltageAmplifier262.1 U9_U_VoltageAmplifier262.8 U9_U_VoltageAmplifier263.1 U9_U_VoltageAmplifier263.8 U9_U_VoltageAmplifier264.1 U9_U_VoltageAmplifier264.8 U9_U_VoltageAmplifier271.1 U9_U_VoltageAmplifier271.8 U9_U_VoltageAmplifier272.1 U9_U_VoltageAmplifier272.8 U9_U_VoltageAmplifier273.1 U9_U_VoltageAmplifier273.8 U9_U_VoltageAmplifier274.1 U9_U_VoltageAmplifier274.8 U9_U_VoltageAmplifier281.1 U9_U_VoltageAmplifier281.8 U9_U_VoltageAmplifier282.1 U9_U_VoltageAmplifier282.8 U9_U_VoltageAmplifier283.1 U9_U_VoltageAmplifier283.8 U9_U_VoltageAmplifier284.1 U9_U_VoltageAmplifier284.8 U9_U_VoltageAmplifier291.1 U9_U_VoltageAmplifier291.8 U9_U_VoltageAmplifier292.1 U9_U_VoltageAmplifier292.8 U9_U_VoltageAmplifier293.1 U9_U_VoltageAmplifier293.8 U9_U_VoltageAmplifier294.1 U9_U_VoltageAmplifier294.8 U9_U_VoltageAmplifier301.1 U9_U_VoltageAmplifier301.8 U9_U_VoltageAmplifier302.1 U9_U_VoltageAmplifier302.8 U9_U_VoltageAmplifier303.1 U9_U_VoltageAmplifier303.8 U9_U_VoltageAmplifier304.1 U9_U_VoltageAmplifier304.8 U9_U_VoltageAmplifier311.1 U9_U_VoltageAmplifier311.8 U9_U_VoltageAmplifier312.1 U9_U_VoltageAmplifier312.8 U9_U_VoltageAmplifier313.1 U9_U_VoltageAmplifier313.8 U9_U_VoltageAmplifier314.1 U9_U_VoltageAmplifier314.8 U9_U_VoltageAmplifier321.1 U9_U_VoltageAmplifier321.8 U9_U_VoltageAmplifier322.1 U9_U_VoltageAmplifier322.8 U9_U_VoltageAmplifier323.1 U9_U_VoltageAmplifier323.8 U9_U_VoltageAmplifier324.1 U9_U_VoltageAmplifier324.8 U9_U_VoltageAmplifier331.1 U9_U_VoltageAmplifier331.8 U9_U_VoltageAmplifier332.1 U9_U_VoltageAmplifier332.8 U9_U_VoltageAmplifier333.1 U9_U_VoltageAmplifier333.8 U9_U_VoltageAmplifier334.1 U9_U_VoltageAmplifier334.8 U9_U_VoltageAmplifier341.1 U9_U_VoltageAmplifier341.8 U9_U_VoltageAmplifier342.1 U9_U_VoltageAmplifier342.8 U9_U_VoltageAmplifier343.1 U9_U_VoltageAmplifier343.8 U9_U_VoltageAmplifier344.1 U9_U_VoltageAmplifier344.8 U9_U_VoltageAmplifier351.1 U9_U_VoltageAmplifier351.8 U9_U_VoltageAmplifier352.1 U9_U_VoltageAmplifier352.8 U9_U_VoltageAmplifier353.1 U9_U_VoltageAmplifier353.8 U9_U_VoltageAmplifier354.1 U9_U_VoltageAmplifier354.8 U9_U_VoltageAmplifier361.1 U9_U_VoltageAmplifier361.8 U9_U_VoltageAmplifier362.1 U9_U_VoltageAmplifier362.8 U9_U_VoltageAmplifier363.1 U9_U_VoltageAmplifier363.8 U9_U_VoltageAmplifier364.1 U9_U_VoltageAmplifier364.8 U9_U_VoltageAmplifier371.1 U9_U_VoltageAmplifier371.8 U9_U_VoltageAmplifier372.1 U9_U_VoltageAmplifier372.8 U9_U_VoltageAmplifier373.1 U9_U_VoltageAmplifier373.8 U9_U_VoltageAmplifier374.1 U9_U_VoltageAmplifier374.8 U9_U_VoltageAmplifier381.1 U9_U_VoltageAmplifier381.8 U9_U_VoltageAmplifier382.1 U9_U_VoltageAmplifier382.8 U9_U_VoltageAmplifier383.1 U9_U_VoltageAmplifier383.8 U9_U_VoltageAmplifier384.1 U9_U_VoltageAmplifier384.8 U14.6 U14.12 U14.13 U14.14 U14.15

## Polygon pours and split planes (outlines as drawn)
GND on Layer 1 (split plane): 233.19,109.99 233.19,0.505 0.51,0.505 0.51,109.99
VCC_OUT on Layer 2 (split plane): 233.19,109.99 233.19,0.505 0.51,0.505 0.51,17.666 18.828,17.666 18.928,17.675 19.023,17.704 19.112,17.752 19.189,17.815 19.252,17.892 19.3,17.981 19.329,18.076 19.338,18.176 19.329,18.276 19.305,18.354 19.305,33.166 225.267,33.166 225.366,33.176 225.462,33.205 225.55,33.252 225.628,33.315 225.691,33.393 225.738,33.481 225.767,33.577 225.777,33.676 225.777,77.927 225.767,78.027 225.738,78.122 225.691,78.211 225.628,78.288 225.55,78.352 225.462,78.399 225.366,78.428 225.267,78.438 31.784,78.438 31.784,109.99
VCC_12V on Layer 2 (split plane): 23.906,67.454 18.795,67.454 18.695,67.445 18.599,67.416 18.511,67.368 18.434,67.305 18.37,67.228 18.323,67.139 18.294,67.044 18.284,66.944 18.284,65.295 18.284,18.686 0.51,18.686 0.51,63.977 0.533,64.05 0.542,64.15 0.542,65.295 0.533,65.395 0.51,65.468 0.51,71.768 23.906,71.768
VCC_3V3 on Layer 2 (split plane): 30.764,109.99 30.764,77.927 30.773,77.827 30.802,77.732 30.85,77.643 30.913,77.566 30.99,77.503 31.079,77.455 31.174,77.426 31.274,77.417 224.756,77.417 224.756,34.187 19.338,34.187 19.338,37.442 19.329,37.541 19.305,37.619 19.305,65.295 19.305,66.434 24.416,66.434 24.516,66.443 24.611,66.472 24.7,66.52 24.777,66.583 24.84,66.66 24.888,66.749 24.917,66.844 24.926,66.944 24.926,72.278 24.917,72.378 24.888,72.473 24.84,72.562 24.777,72.639 24.7,72.702 24.611,72.75 24.516,72.779 24.416,72.788 0.51,72.788 0.51,109.99
VCC_FPGA_IO2 on Layer 2 (split plane): 117.848,42.07 88.093,42.07 88.093,72.075 117.848,72.075
VCC_FPGA_IO4 on Layer 2 (split plane): 219.675,42.07 189.529,42.07 189.529,72.039 219.675,72.039
VCC_FPGA_IO1 on Layer 2 (split plane): 67.255,42.152 37.47,42.152 37.47,71.929 67.255,71.929
VCC_FPGA_IO3 on Layer 2 (split plane): 168.672,42.183 138.662,42.183 138.662,72.002 168.672,72.002

## Other copper
Top Layer:
  rectangle net VCC_3V3: 187.636,64.883 189.085,67.37
  rectangle net VCC_FPGA_IO4: 189.593,64.872 190.609,67.624
  rectangle net VCC_FPGA_IO3: 138.752,64.867 139.768,67.737
  rectangle net VCC_3V3: 136.795,64.943 138.244,67.483
  rectangle net VCC_3V3: 86.036,64.83 87.485,67.37
  rectangle net VCC_FPGA_IO2: 87.993,64.754 89.009,67.624
  rectangle net VCC_FPGA_IO1: 37.37,64.836 38.386,67.706
  rectangle net VCC_3V3: 35.413,64.912 36.862,67.452
  rectangle net VCC_FPGA_IO4: 192.615,46.624 194.22,47.383
  region net VCC_5V: 29.659,63.449 29.659,66.012 21.551,66.012 21.551,63.449
  region net GND: 5.628,94.726 5.628,99.552 1.31,99.552 1.31,94.726
  region net VCC_5V: 1.31,92.186 1.31,87.36 5.628,87.36 5.628,92.186
  rectangle net VCC_12V: 7.833,61.381 11.28,62.737
  rectangle net GND: 22.709,24.099 25.257,27.715
  rectangle net GND: 14.683,69.611 20.177,73.599
  rectangle net VCC_12V: 7.444,36.149 13.182,40.879
  rectangle net GND: 1.551,36.111 5.498,40.879
  rectangle net GND: 13.634,19.456 16.047,20.625
  region net NetD7_2: 15.386,27.483 12.821,27.483 12.821,22.86 15.386,22.86
  region net GND: 21.406,24.206 18.663,24.206 18.663,21.514 21.406,21.514
  region net GND: 23.336,23.266 23.336,24.206 18.714,24.206 18.714,23.266
  rectangle net VCC_12V: 4.359,21.844 6.924,30.988
  region net VCC_12V: 15.621,34.722 14.142,34.722 14.142,29.026 15.621,29.026
  rectangle net VCC_OUT: 19.653,25.1 22.128,32.893
  region net GND: 19.171,32.131 16.986,32.131 16.986,28.148 19.171,28.148
  region net NetD7_2: 15.31,22.847 15.31,25.451 7.334,25.451 7.334,22.847
  rectangle net NetD7_2: 7.309,21.844 9.874,25.451
  region net GND: 17.621,34.696 16.038,34.696 16.038,31.704 17.621,31.704
  rectangle net GND: 23.174,21.641 25.267,27.457
  region net VCC_12V: 16.478,28.118 16.478,31.064 4.36,31.064 4.36,28.118
  region net VCC_OUT: 16.128,27.519 16.128,25.044 22.117,25.044 22.117,27.519
  region net VCC_OUT: 25.445,28.118 25.445,32.889 20.127,32.889 20.127,28.118
  rectangle net PWR_CNTRL: 15.122,61.295 18.785,67.465
  region net NetD4_1: 17.931,54.318 17.931,60.978 14.957,60.978 14.957,54.318
  region net VCC_12V: 17.881,46.06 17.881,53.934 14.906,53.934 14.906,46.06
  rectangle net PWR_LOCAL: 10.984,43.065 13.756,48.697
  rectangle net PWR_LOCAL: 11.012,42.55 17.672,45.524
  region net PWR_LOCAL: 13.346,58.104 13.346,59.846 6.446,59.846 6.446,58.104
  rectangle net PWR_LOCAL: 6.438,53.73 10.655,59.851
  rectangle net PWR_LOCAL: 7.571,48.201 13.768,55.018
  rectangle net GND: 2.615,48.278 7.037,53.002
  rectangle net GND: 0.586,46.964 4.802,60.139
  text "TOP" at 8,107.33 h1.5
Bottom Layer:
  rectangle net VCC_12V: 14.123,30.358 15.666,34.676
  rectangle net VCC_12V: 4.35,28.082 16.288,30.876
  region net VCC_5V: 30.836,63.449 30.836,65.999 21.566,65.999 21.566,63.449
  region net GND: 19.798,98.174 19.798,93.348 23.354,93.348 23.354,98.174
  region net GND: 5.628,93.71 5.628,99.552 1.31,99.552 1.31,93.71
  region net VCC_5V: 1.31,92.694 1.31,87.36 5.628,87.36 5.628,92.694
  text "BOT" at 8.1,107.3 h1.5
Layer 2 (plane layer: these items are gaps in the copper):
  lines w1.016: 0.032,18.43 0.286,18.176 18.828,18.176 18.795,18.209 18.795,65.295 18.795,66.944 24.416,66.944 24.416,72.278 0.032,72.278 ; 0.032,64.15 0.032,65.295 ; 18.828,37.442 18.828,33.676 225.267,33.676 225.267,77.927 31.274,77.927 31.274,110.632 28.592,110.632 ; 36.96,41.642 36.96,72.44 67.766,72.44 67.766,41.642 36.96,41.642 ; 87.583,41.559 118.359,41.559 118.359,72.586 87.583,72.586 87.583,41.559 ; 138.152,41.672 169.182,41.672 169.182,72.513 138.152,72.513 138.152,41.672 ; 189.019,41.559 220.185,41.559 220.185,72.549 189.019,72.549 189.019,41.559

## Silkscreen, mask and mechanical layers (free items; w line width, h text height)
Top Overlay:
  text "Inhealion / Specs: / 300 Voltage Channels  / VOUT = 12V ~ 36V / Freq = 1Hz ~ 1Mhz" at 7.5,6.2 h1.5

## Text inside footprints (layer, text, board x,y; h text height)
P3: Top Overlay "2" at 21.307,37.848 h1.02 r90; Top Overlay "1" at 23.847,38.356 h1.02 r90; Top Overlay "9" at 23.847,52.072 h1.02 r90; Top Overlay "10" at 21.307,52.072 h1.02 r90
P_E_1: Top Overlay "1" at 31.303,104.995 h1.27; Top Overlay "2" at 31.303,107.005 h1.27; Top Overlay "40" at 72.946,106.903 h1.27; Top Overlay "39" at 72.946,104.942 h1.27
P_E_2: Top Overlay "1" at 82.103,104.995 h1.27; Top Overlay "2" at 82.103,107.005 h1.27; Top Overlay "40" at 123.746,106.903 h1.27; Top Overlay "39" at 123.746,104.942 h1.27
P_E_3: Top Overlay "39" at 174.546,104.942 h1.27; Top Overlay "40" at 174.546,106.903 h1.27; Top Overlay "2" at 132.903,107.005 h1.27; Top Overlay "1" at 132.903,104.995 h1.27
P_E_4: Top Overlay "1" at 183.703,104.995 h1.27; Top Overlay "2" at 183.703,107.005 h1.27; Top Overlay "40" at 225.346,106.903 h1.27; Top Overlay "39" at 225.346,104.942 h1.27
P_O_1: Top Overlay "39" at 72.946,2.802 h1.27; Top Overlay "40" at 72.946,4.763 h1.27; Top Overlay "2" at 31.303,4.865 h1.27; Top Overlay "1" at 31.303,2.855 h1.27
P_O_2: Top Overlay "39" at 123.746,2.802 h1.27; Top Overlay "40" at 123.746,4.763 h1.27; Top Overlay "2" at 82.103,4.865 h1.27; Top Overlay "1" at 82.103,2.855 h1.27
P_O_3: Top Overlay "1" at 132.903,2.855 h1.27; Top Overlay "2" at 132.903,4.865 h1.27; Top Overlay "40" at 174.546,4.763 h1.27; Top Overlay "39" at 174.546,2.802 h1.27
P_O_4: Top Overlay "39" at 225.346,2.802 h1.27; Top Overlay "40" at 225.346,4.763 h1.27; Top Overlay "2" at 183.703,4.865 h1.27; Top Overlay "1" at 183.703,2.855 h1.27